# Altium PCB Copy of PCB1.PcbDoc (part 1 of 2) (continued)
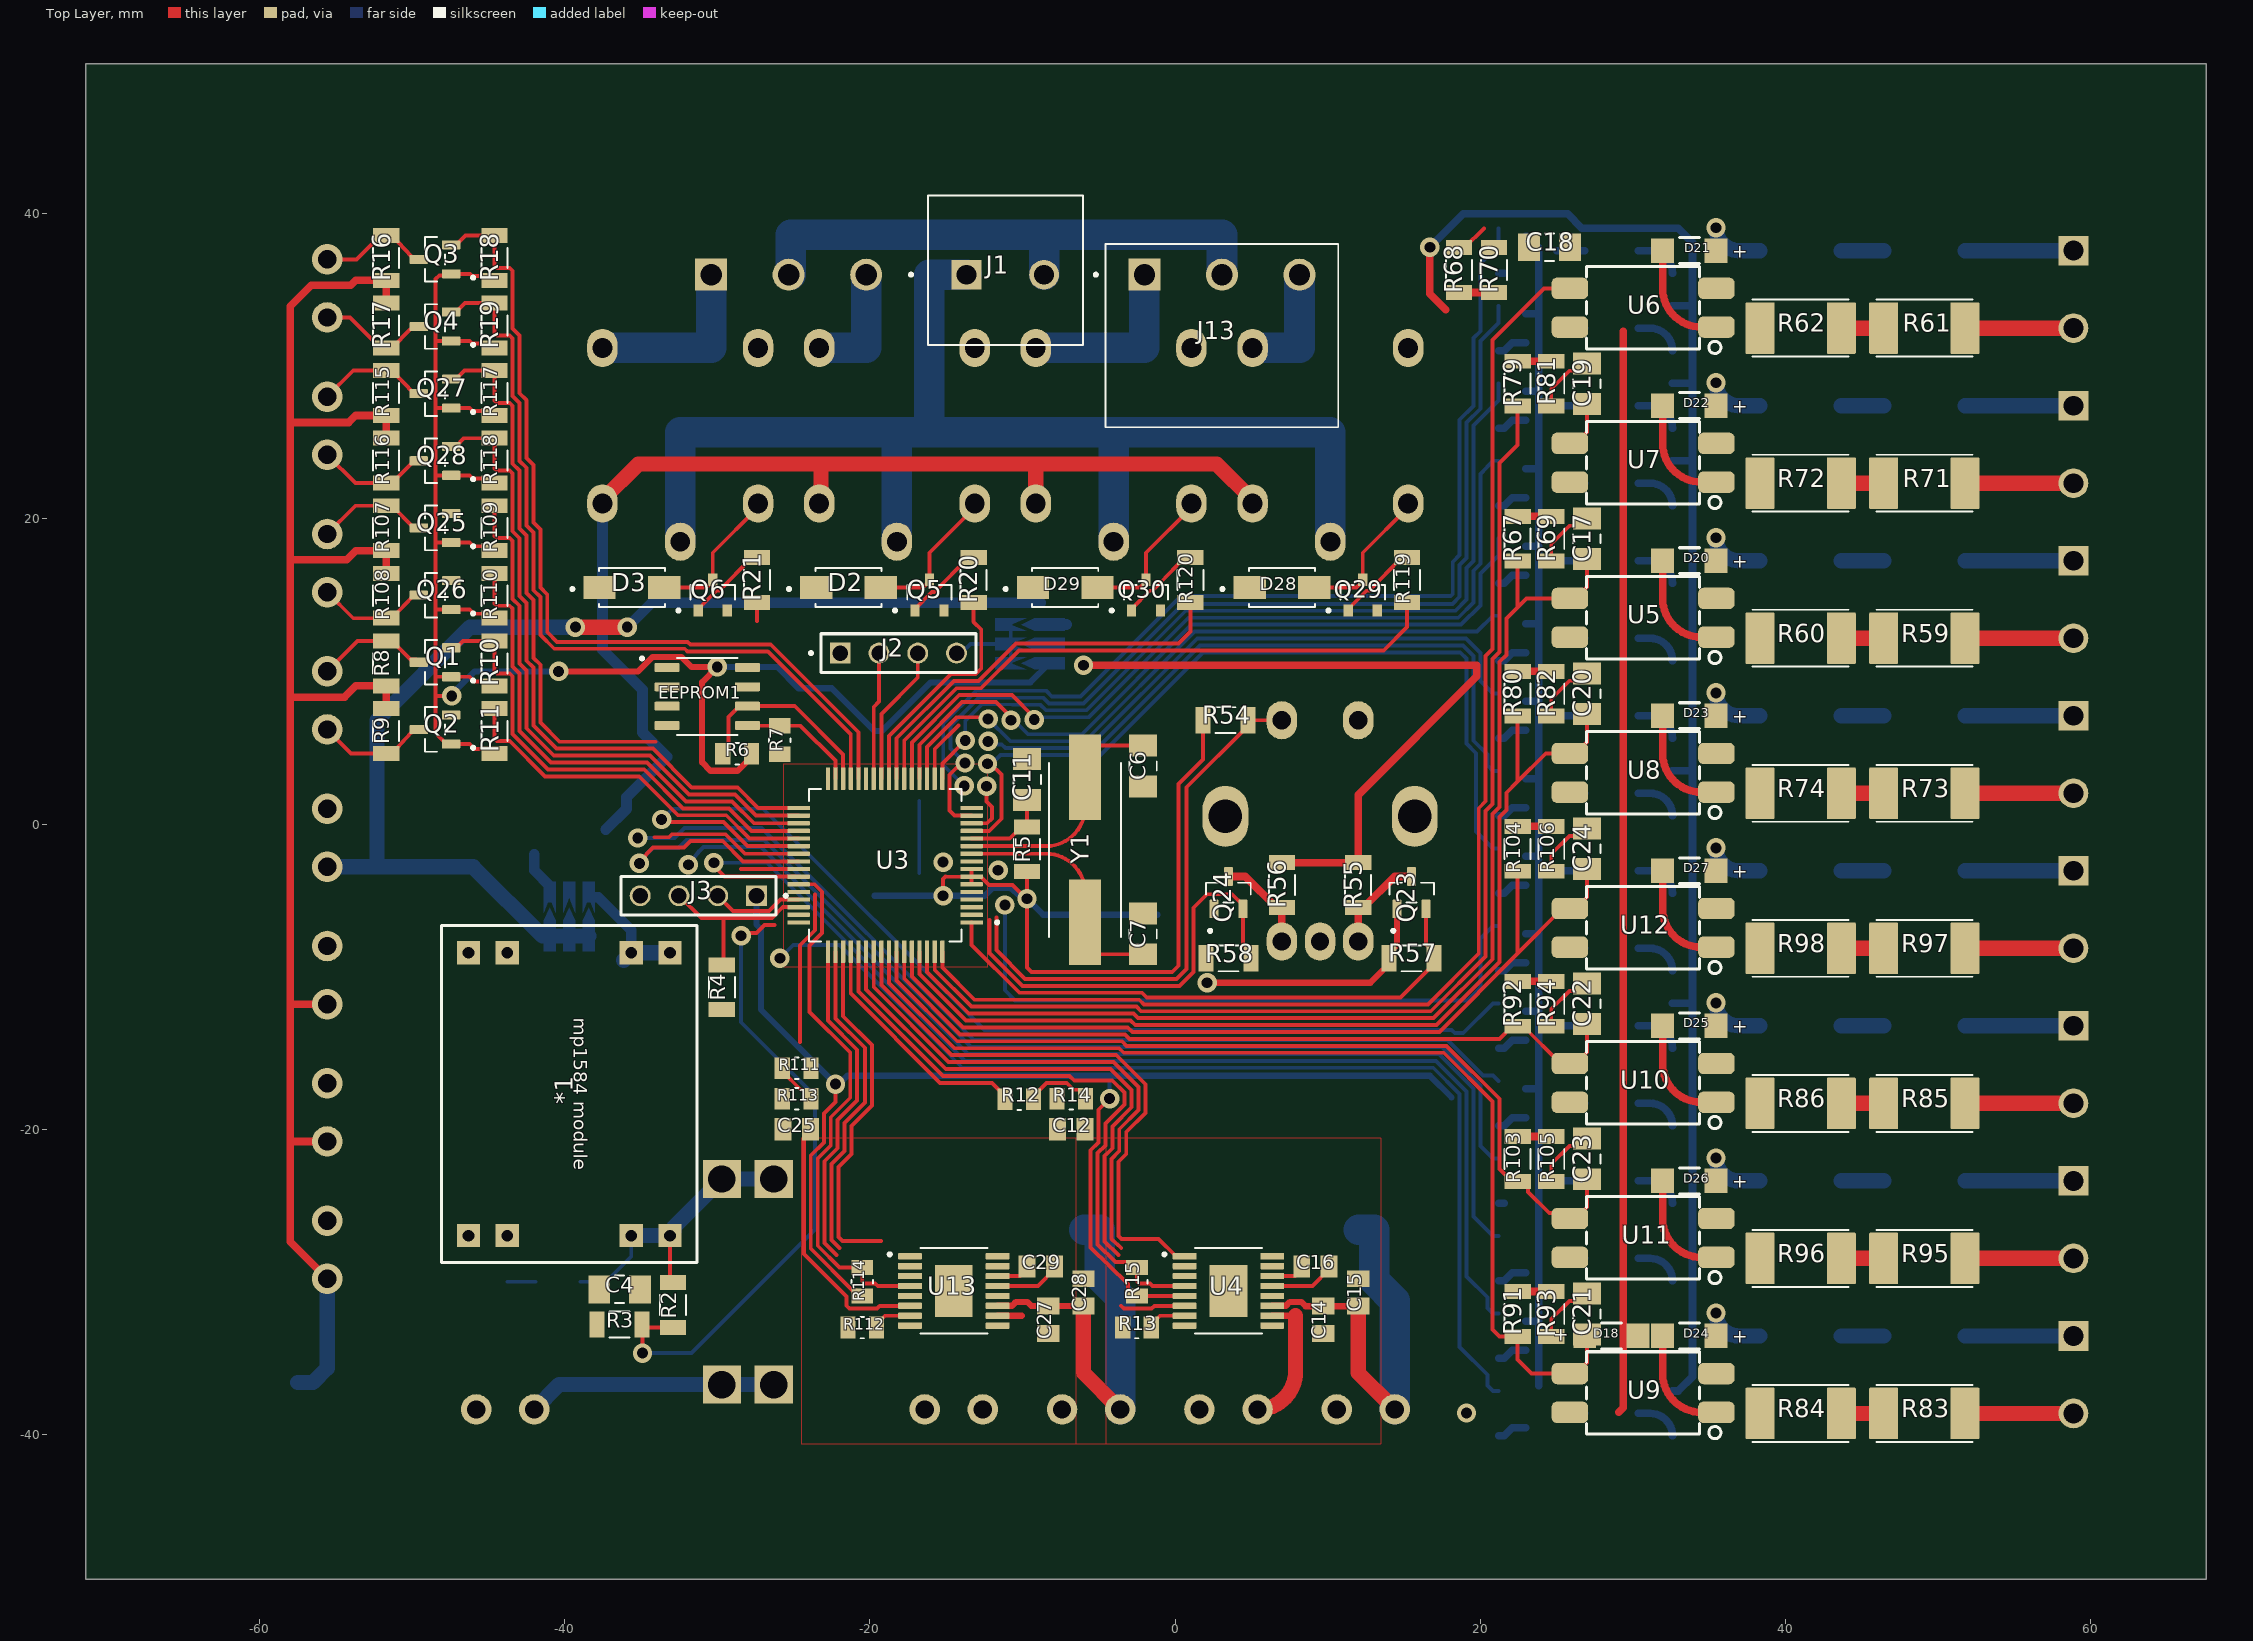
[diagram p0: Top Layer view]
## Components (designator, comment, footprint, x,y, rotation, side; value= is the part's Value field where it differs from the comment) (continued)
Q21 "SS8050" TRANS_SS8050-G 24,-33.545 r0 bottom locked
Q22 "SS8050" TRANS_SS8050-G 24,-38.625 r0 bottom locked
Q23 "2N7002" SOT95P240X111-3N 15.5,-4.5 r90 top
Q24 "2N7002" SOT95P240X111-3N 3.5,-4.5 r90 top
Q25 "2N7002" SOT95P240X111-3N -48.5,19.399 r180 top
Q26 "2N7002" SOT95P240X111-3N -48.5,14.998 r180 top
Q27 "2N7002" SOT95P240X111-3N -48.5,28.202 r180 top
Q28 "2N7002" SOT95P240X111-3N -48.5,23.801 r180 top
Q29 "SS8050" TRANS_SS8050-G 12.3,15 r90 top locked
Q30 "SS8050" TRANS_SS8050-G -1.9,15 r90 top locked
R1 "4.7k-1206" RESC3015X65N -40.43,-30 r0 bottom
R2 "220k-1206" RESC3015X65N -32.9,-31.53 r90 top
R3 "22k-1206" RESC3015X65N -36.4,-32.8 r0 top
R4 "4.7k-1206" RESC3015X65N -29.7,-10.7 r270 top
R5 "4.7k-1206" RESC3015X65N -9.7,-1.652 r270 top
R6 "4.7k -0805" RESC2012X65N -28.7,4.6 r0 top
R7 "4.7k -0805" RESC2012X65N -25.9,5.5 r270 top
R8 "4.7k-1206" RESC3015X65N -51.7,10.529 r270 top
R9 "4.7k-1206" RESC3015X65N -51.7,6.1 r90 top
R10 "4.7k-1206" RESC3015X65N -44.6,10.529 r270 top
R11 "4.7k-1206" RESC3015X65N -44.6,6.1 r270 top
R12 "0 ohm-0805" RESC2012X65N -10.211,-18.034 r180 top
R13 "0 ohm-0805" RESC2012X65N -2.5,-33 r180 top locked
R14 "IPROPI1" RESC2012X65N -6.8,-18 r0 top locked
R15 "4.7k -0805" RESC2012X65N -2.5,-30 r270 top locked
R16 "4.7k-1206" RESC3015X65N -51.7,37.1 r270 top
R17 "4.7k-1206" RESC3015X65N -51.7,32.671 r90 top
R18 "4.7k-1206" RESC3015X65N -44.6,37.1 r270 top
R19 "4.7k-1206" RESC3015X65N -44.6,32.671 r270 top
R20 "4.7k-1206" RESC3015X65N -13.2,16 r270 top locked
R21 "4.7k-1206" RESC3015X65N -27.4,16 r270 top locked
R22 "300 ohm-1206" RESC3015X65N 32.6,37.575 r90 bottom locked
R23 "300 ohm-1206" RESC3015X65N 32.6,32.495 r90 bottom locked
R24 "300 ohm-1206" RESC3015X65N 32.6,27.415 r90 bottom locked
R25 "300 ohm-1206" RESC3015X65N 32.6,22.335 r90 bottom locked
R26 "300 ohm-1206" RESC3015X65N 32.6,17.255 r90 bottom locked
R27 "300 ohm-1206" RESC3015X65N 32.6,12.175 r90 bottom locked
R28 "300 ohm-1206" RESC3015X65N 32.6,7.095 r90 bottom locked
R29 "300 ohm-1206" RESC3015X65N 32.6,2.015 r90 bottom locked
R30 "4.7k-1206" RESC3015X65N 21.2,37.575 r90 bottom locked
R31 "4.7k-1206" RESC3015X65N 21.2,32.495 r90 bottom locked
R32 "4.7k-1206" RESC3015X65N 21.2,27.415 r90 bottom locked
R33 "4.7k-1206" RESC3015X65N 21.2,22.335 r90 bottom locked
R34 "4.7k-1206" RESC3015X65N 21.2,17.255 r90 bottom locked
R35 "4.7k-1206" RESC3015X65N 21.2,12.175 r90 bottom locked
R36 "4.7k-1206" RESC3015X65N 21.2,7.095 r90 bottom locked
R37 "4.7k-1206" RESC3015X65N 21.2,2.015 r90 bottom locked
R38 "300 ohm-1206" RESC3015X65N 32.6,-3.065 r90 bottom locked
R39 "300 ohm-1206" RESC3015X65N 32.6,-8.145 r90 bottom locked
R40 "300 ohm-1206" RESC3015X65N 32.6,-13.225 r90 bottom locked
R41 "300 ohm-1206" RESC3015X65N 32.6,-18.305 r90 bottom locked
R42 "300 ohm-1206" RESC3015X65N 32.6,-23.385 r90 bottom locked
R43 "300 ohm-1206" RESC3015X65N 32.6,-28.465 r90 bottom locked
R44 "300 ohm-1206" RESC3015X65N 32.6,-33.545 r90 bottom locked
R45 "300 ohm-1206" RESC3015X65N 32.6,-38.625 r90 bottom locked
R46 "4.7k-1206" RESC3015X65N 21.2,-3.065 r90 bottom locked
R47 "4.7k-1206" RESC3015X65N 21.2,-8.145 r90 bottom locked
R48 "4.7k-1206" RESC3015X65N 21.2,-13.225 r90 bottom locked
R49 "4.7k-1206" RESC3015X65N 21.2,-18.305 r90 bottom locked
R50 "4.7k-1206" RESC3015X65N 21.2,-23.385 r90 bottom locked
R51 "4.7k-1206" RESC3015X65N 21.2,-28.465 r90 bottom locked
R52 "4.7k-1206" RESC3015X65N 21.2,-33.545 r90 bottom locked
R53 "4.7k-1206" RESC3015X65N 21.2,-38.625 r90 bottom locked
R54 "4.7k-1206" RESC3015X65N 3.3,6.8 r180 top locked
R55 "4.7k-1206" RESC3015X65N 12,-4 r90 top locked
R56 "4.7k-1206" RESC3015X65N 7,-4 r90 top locked
R57 "4.7k-1206" RESC3015X65N 15.5,-8.8 r0 top
R58 "4.7k-1206" RESC3015X65N 3.5,-8.8 r180 top
R59 "10k-2512" RESC6331X70N 49.1,12.175 r180 top locked
R60 "10k-2512" RESC6331X70N 41,12.175 r180 top locked
R61 "10k-2512" RESC6331X70N 49.1,32.495 r180 top locked
R62 "10k-2512" RESC6331X70N 41,32.495 r180 top locked
R63 "10k-2512" RESC6331X70N 49.1,17.255 r180 bottom locked
R64 "10k-2512" RESC6331X70N 41,17.255 r180 bottom locked
R65 "10k-2512" RESC6331X70N 49.1,37.575 r180 bottom locked
R66 "10k-2512" RESC6331X70N 41,37.575 r180 bottom locked
R67 "300 ohm-1206" RESC3015X65N 22.45,18.695 r270 top locked
R68 "300 ohm-1206" RESC3015X65N 18.6,36.3 r90 top locked
R69 "4.7k-1206" RESC3015X65N 24.656,18.695 r270 top locked
R70 "4.7k-1206" RESC3015X65N 20.9,36.3 r90 top locked
R71 "10k-2512" RESC6331X70N 49.1,22.335 r180 top locked
R72 "10k-2512" RESC6331X70N 41,22.335 r180 top locked
R73 "10k-2512" RESC6331X70N 49.1,2.015 r180 top locked
R74 "10k-2512" RESC6331X70N 41,2.015 r180 top locked
R75 "10k-2512" RESC6331X70N 49.1,27.415 r180 bottom locked
R76 "10k-2512" RESC6331X70N 41,27.415 r180 bottom locked
R77 "10k-2512" RESC6331X70N 49.1,7.095 r180 bottom locked
R78 "10k-2512" RESC6331X70N 41,7.095 r180 bottom locked
R79 "300 ohm-1206" RESC3015X65N 22.45,28.855 r270 top locked
R80 "300 ohm-1206" RESC3015X65N 22.45,8.535 r270 top locked
R81 "4.7k-1206" RESC3015X65N 24.656,28.855 r270 top locked
R82 "4.7k-1206" RESC3015X65N 24.656,8.535 r270 top locked
R83 "10k-2512" RESC6331X70N 49.1,-38.625 r180 top locked
R84 "10k-2512" RESC6331X70N 41,-38.625 r180 top locked
R85 "10k-2512" RESC6331X70N 49.1,-18.305 r180 top locked
R86 "10k-2512" RESC6331X70N 41,-18.305 r180 top locked
R87 "10k-2512" RESC6331X70N 49.1,-33.545 r180 bottom locked
R88 "10k-2512" RESC6331X70N 41,-33.545 r180 bottom locked
R89 "10k-2512" RESC6331X70N 49.1,-13.225 r180 bottom locked
R90 "10k-2512" RESC6331X70N 41,-13.225 r180 bottom locked
R91 "300 ohm-1206" RESC3015X65N 22.45,-32.105 r270 top locked
R92 "300 ohm-1206" RESC3015X65N 22.45,-11.785 r270 top locked
R93 "4.7k-1206" RESC3015X65N 24.656,-32.105 r270 top locked
R94 "4.7k-1206" RESC3015X65N 24.656,-11.785 r270 top locked
R95 "10k-2512" RESC6331X70N 49.1,-28.465 r180 top locked
R96 "10k-2512" RESC6331X70N 41,-28.465 r180 top locked
R97 "10k-2512" RESC6331X70N 49.1,-8.145 r180 top locked
R98 "10k-2512" RESC6331X70N 41,-8.145 r180 top locked
R99 "10k-2512" RESC6331X70N 49.1,-23.385 r180 bottom locked
R100 "10k-2512" RESC6331X70N 41,-23.385 r180 bottom locked
R101 "10k-2512" RESC6331X70N 49.1,-3.065 r180 bottom locked
R102 "10k-2512" RESC6331X70N 41,-3.065 r180 bottom locked
R103 "300 ohm-1206" RESC3015X65N 22.45,-21.945 r270 top locked
R104 "300 ohm-1206" RESC3015X65N 22.45,-1.625 r270 top locked
R105 "4.7k-1206" RESC3015X65N 24.656,-21.945 r270 top locked
R106 "4.7k-1206" RESC3015X65N 24.656,-1.625 r270 top locked
R107 "4.7k-1206" RESC3015X65N -51.7,19.386 r270 top
R108 "4.7k-1206" RESC3015X65N -51.7,14.957 r90 top
R109 "4.7k-1206" RESC3015X65N -44.6,19.386 r270 top
R110 "4.7k-1206" RESC3015X65N -44.6,14.957 r270 top
R111 "0 ohm-0805" RESC2012X65N -24.8,-16 r0 top
R112 "0 ohm-0805" RESC2012X65N -20.5,-33 r180 top locked
R113 "IPROPI1" RESC2012X65N -24.8,-18 r0 top locked
R114 "4.7k -0805" RESC2012X65N -20.5,-30 r270 top locked
R115 "4.7k-1206" RESC3015X65N -51.7,28.243 r270 top
R116 "4.7k-1206" RESC3015X65N -51.7,23.814 r90 top
R117 "4.7k-1206" RESC3015X65N -44.6,28.243 r270 top
R118 "4.7k-1206" RESC3015X65N -44.6,23.814 r270 top
R119 "4.7k-1206" RESC3015X65N 15.2,16 r270 top locked
R120 "4.7k-1206" RESC3015X65N 1,16 r270 top locked
SW1 "RotaryEncoderSwitch" SWROT_11MM 9.5,0 r180 bottom
U1 "LF50" DPAK_3 -39.7,-2 r180 bottom
U2 "AMS1117" DPAK_3 -26.5,6.1 r90 bottom
U3 "STM32G070RBT6" QFP50P1200X1200X160-64N -19,-2.7 r180 top
U4 "DRV8874PWPR" SOP65P640X120-17N 3.5,-30.6 r0 top locked
U5 "EL817" DIP_4SMD 30.675,13.515 r180 top locked
U6 "EL817" DIP_4SMD 30.675,33.835 r180 top locked
U7 "EL817" DIP_4SMD 30.675,23.675 r180 top locked
U8 "EL817" DIP_4SMD 30.675,3.355 r180 top locked
U9 "EL817" DIP_4SMD 30.675,-37.285 r180 top locked
U10 "EL817" DIP_4SMD 30.675,-16.965 r180 top locked
U11 "EL817" DIP_4SMD 30.675,-27.125 r180 top locked
U12 "EL817" DIP_4SMD 30.675,-6.805 r180 top locked
U13 "DRV8874PWPR" SOP65P640X120-17N -14.5,-30.6 r0 top locked
Y1 "8MHZ" XTAL_ABLS2-12.000MHZ-D4Y-T -5.9,-1.7 r90 top locked

## Footprints (in the part's own frame and the unit in brackets; to place one, negate y for a bottom-side part, rotate by r counter-clockwise, add the part's x,y. Pads: shape width x height; smd on the part's side, far side on the other; paste and mask are expansions set on the pad)
CAP_EEEFN1H101L [mm]
  rect 4x2 smd: 1(-3.55,0) 2(3.55,0)
  silkscreen extent -4.9,-4.15 4.15,4.15, body extent -4.85,-4.15 4.85,4.15, height 10.2
CAPC2012X145N [mm]
  rect 1.11x1.47 smd: 1(-0.9,0) 2(0.9,0)
  body extent -1,-0.63 1,0.63, height 1.45
CAPC3216X180N [mm]
  rect 1.44x1.82 smd: 1(-1.336,0) 2(1.336,0)
  silkscreen extent -0.29,-0.9 0.29,0.9, body extent -1.6,-0.8 1.6,0.8, height 1.8
DIOM4325X250N [mm]
  rect 2.12x1.5 smd: A(2.115,0) C(-2.115,0)
  silkscreen extent -4,-1.28 2.16,1.28, body extent -2.57,-1.28 2.57,1.28, height 2.5
DIP_4SMD [mm] "DIP4, pitch 2.54mm, 300mil Width SMD"
  rrect50% 2.4x1.4 smd: 1(-4.8,1.27) 2(-4.8,-1.27) 3(4.8,-1.27) 4(4.8,1.27)
  silkscreen extent -5.1,-2.7 3.7,3, body extent -5.23,-2.55 5.23,2.55, height 4.6
DPAK_3 [mm] "D-PAK (TO-252), 3-Pads, Body 6.2x6.7mm"
  oval 1.2x3 smd: 1(-2.3,0) 3(2.3,0)
  rect 6x7 smd paste-5: 4(0,6.8)
  silkscreen extent -3.4,1.63 3.4,8.6, body extent -3.37,-0.5 3.37,9.6, height 2.37
PCBComponent_1#1 [mil]
  round 1 smd: 1(-50,50) 2(-50,0) 3(-50,-50) 4(50,-50) 5(50,0) 6(50,50)
  Top Layer region: 10.63,-34.25 -23,-50 10.63,-65.75 89.37,-65.75 89.37,-34.25
  Top Layer region: 10.63,15.75 -23,0 10.63,-15.75 89.37,-15.75 89.37,15.75
  Top Layer region: -89.37,-34.25 -89.37,-65.75 -10,-65.75 -50,-50 -10,-34.25
  Top Layer region: -89.37,15.75 -89.37,-15.75 -10,-15.75 -50,0 -10,15.75
  Top Layer region: -89.37,65.75 -89.37,34.25 -10,34.25 -50,50 -10,65.75
  Top Layer region: 10.63,65.75 -23,50 10.63,34.25 89.37,34.25 89.37,65.75
PCBComponent_1#2 [mil]
  rect 60x60 hole 30: 1(365,160) 1(365,260) 2(365,-260) 2(365,-160) 3(-365,-260) 3(-365,-160) 4(-365,160) 4(-365,260)
  silkscreen extent -435,-330 435,330
PCBComponent_1#3 [mil]
  rect 98.43x98.43 hole 70.87: 1(-265.16,-66.93) 1(-265.16,66.93) 2(265.16,-66.93) 2(265.16,66.93)
  silkscreen extent -390,-132 390,132
PHOENIX_1715721 [mm]
  rect 1.95x1.95 / inner round 1.95 / far side rect 1.95x1.95 hole 1.3: 1(2.54,4.6)
  round 1.95 hole 1.3: 2(7.62,4.6)
  silkscreen extent -1.2,0 10.16,9.8
PHOENIX_1759020 [mm]
  rect 2.1x2.1 / inner round 2.1 / far side rect 2.1x2.1 hole 1.4: 01(2.54,10)
  round 2.1 hole 1.4: 02(7.62,10) 03(12.7,10)
  silkscreen extent -0.75,0 15.24,12
PHOENIX_1803578 [mm]
  round 2 hole 1.2: 1(-1.905,-0.635) 2(1.905,-0.635)
  silkscreen extent -4.21,-4 4.21,1.66, body extent -4.21,-8.05 4.21,8.05, height 11.1
QFP50P1200X1200X160-64N [mm]
  rrect25% 1.47x0.28 smd: 1(-5.67,3.75) 2(-5.67,3.25) 3(-5.67,2.75) 4(-5.67,2.25) 5(-5.67,1.75) 6(-5.67,1.25) 7(-5.67,0.75) 8(-5.67,0.25) 9(-5.67,-0.25) 10(-5.67,-0.75) 11(-5.67,-1.25) 12(-5.67,-1.75) 13(-5.67,-2.25) 14(-5.67,-2.75) 15(-5.67,-3.25) 16(-5.67,-3.75) 33(5.67,-3.75) 34(5.67,-3.25) 35(5.67,-2.75) 36(5.67,-2.25) 37(5.67,-1.75) 38(5.67,-1.25) 39(5.67,-0.75) 40(5.67,-0.25) 41(5.67,0.25) 42(5.67,0.75) 43(5.67,1.25) 44(5.67,1.75) 45(5.67,2.25) 46(5.67,2.75) 47(5.67,3.25) 48(5.67,3.75)
  rrect25% 0.28x1.47 smd: 17(-3.75,-5.67) 18(-3.25,-5.67) 19(-2.75,-5.67) 20(-2.25,-5.67) 21(-1.75,-5.67) 22(-1.25,-5.67) 23(-0.75,-5.67) 24(-0.25,-5.67) 25(0.25,-5.67) 26(0.75,-5.67) 27(1.25,-5.67) 28(1.75,-5.67) 29(2.25,-5.67) 30(2.75,-5.67) 31(3.25,-5.67) 32(3.75,-5.67) 49(3.75,5.67) 50(3.25,5.67) 51(2.75,5.67) 52(2.25,5.67) 53(1.75,5.67) 54(1.25,5.67) 55(0.75,5.67) 56(0.25,5.67) 57(-0.25,5.67) 58(-0.75,5.67) 59(-1.25,5.67) 60(-1.75,5.67) 61(-2.25,5.67) 62(-2.75,5.67) 63(-3.25,5.67) 64(-3.75,5.67)
  silkscreen extent -7.44,-5 5,5, body extent -6,-6 6,6, height 1.6
REL_SPDT_5_1512 [mm] "RELAY, SPDT, 15.40x12.10x14.0mm, G8QN, SUN HOLD RAM"
  oval 2x2.5 hole 1.3: 1(0,2.5) 2(5.1,-10.2) 3(-5.1,-10.2) 4(-5.1,0) 5(5.1,0)
  silkscreen extent -6.1,-11.9 6.1,3.8, body extent -6,-11.8 6,3.7, height 14
RESC2012X65N [mm]
  rect 1x1.42 smd: 1(-0.935,0) 2(0.935,0)
  silkscreen extent -0.12,-0.7 0.12,0.7, body extent -1,-0.63 1,0.63, height 0.65
RESC3015X65N [mm]
  rect 0.98x1.72 smd: 1(-1.47,0) 2(1.47,0)
  silkscreen extent -0.66,-0.85 0.66,0.85, body extent -1.53,-0.77 1.53,0.77, height 0.65
RESC6331X70N [mm]
  rrect7% 1.9x3.37 smd: 1(-2.66,0) 2(2.66,0)
  silkscreen extent -3.15,-1.87 3.15,1.87
SAMTEC_MTSW-104-24-G-S-230 [mm]
  rect 1.37x1.37 hole 1.02: 01(3.81,0)
  round 1.37 hole 1.02: 02(1.27,0) 03(-1.27,0) 04(-3.81,0)
  silkscreen extent -5.08,-1.27 5.83,1.27
SOIC127P602X172-8N [mm]
  rrect25% 1.64x0.59 smd: 0(-2.635,1.905) 1(-2.635,0.635) 2(-2.635,-0.635) 3(-2.635,-1.905) 4(2.635,-1.905) 5(2.635,-0.635) 6(2.635,0.635) 7(2.635,1.905)
  silkscreen extent -4.37,-2.52 1.99,2.59, body extent -3.01,-2.44 3.01,2.44, height 1.73
SOP65P640X120-17N [mm]
  rrect25% 1.57x0.41 smd: 1(-2.87,2.275) 2(-2.87,1.625) 3(-2.87,0.975) 4(-2.87,0.325) 5(-2.87,-0.325) 6(-2.87,-0.975) 7(-2.87,-1.625) 8(-2.87,-2.275) 9(2.87,-2.275) 10(2.87,-1.625) 11(2.87,-0.975) 12(2.87,-0.325) 13(2.87,0.325) 14(2.87,0.975) 15(2.87,1.625) 16(2.87,2.275)
  rect 2.48x3.4 smd paste-3: 17(0,0)
  silkscreen extent -4.3,-2.8 2.2,2.8, body extent -3.2,-2.5 3.2,2.5, height 1.2
SOT95P240X111-3N [mm]
  rrect25% 1.23x0.6 smd: 1(-1.06,0.95) 2(-1.06,-0.95) 3(1.06,0)
  silkscreen extent -2.6,-1.46 0.65,1.46
SWROT_11MM [mm] "Alps Encoder+ sw"
  oval 2x2.5 hole 1.2 unplated: 1(-2.5,-7.7) 2(0,-7.7) 3(2.5,-7.7) 4(2.5,6.8) 5(-2.5,6.8)
  oval 3x4 hole 2.2 unplated: SH1(-6.2,0.5) SH2(6.2,0.5)
  silkscreen extent -6,-6.1 6,7, body extent -6.85,-7.83 6.81,7, height 21.2
TRANS_SS8050-G [mm]
  rect 0.8x0.6 smd: 1(-1.01,0.95) 2(-1.01,-0.95) 3(1.01,0)
  silkscreen extent -1.11,-1.45 0.65,2.35
"WL-SMRW_1206 dome_normal use" [mm] "SMD Mono-color Reverse mount LED, body 3.2x1.2mm"
  rect 1.5x1.6 smd: 1(-1.75,0) 2(1.75,0)
  silkscreen extent -0.65,-0.85 0.65,0.85, body extent -1.6,-0.8 1.6,0.8, height 1.85
XTAL_ABLS2-12.000MHZ-D4Y-T [mm]
  rect 5.6x2.1 smd: 1(-4.75,0) 2(4.75,0)
  silkscreen extent -5.7,-2.35 5.7,2.35, body extent -6.35,-2.35 6.35,2.35, height 3.16

## Part data
*1 "fuse 1": library part Component_1
C1 C2 C3 C5 C13 C26: library part EEEFN1H101L, "CAP ALUM 100UF 20% 50V SMD", Package="RADIAL-2 Panasonic", Check_prices=https://www.snapeda.com/parts/EEEFN1H101L/Panasonic/view-part/?ref=eda, MF=Panasonic, MP=EEEFN1H101L, SnapEDA_Link=https://www.snapeda.com/parts/EEEFN1H101L/Panasonic/view-part/?ref=snap
C4 C6 C7 C8 C9 C10 C11 C17 C18 C19 C20 C21 C22 C23 C24: library part CGA5L3X8R1H105M160AB, "1ÂµF Â±20% 50V Ceramic Capacitor X8R 1206 (3216 Metric)", Package="3216 TDK", Availability="In Stock", Check_prices=https://www.snapeda.com/parts/CGA5L3X8R1H105M160AB/TDK/view-part/?ref=eda, MF=TDK, MP=CGA5L3X8R1H105M160AB, Price=None, Purchase-URL=https://pricing.snapeda.com/search/part/CGA5L3X8R1H105M160AB/?ref=eda, SnapEDA_Link=https://www.snapeda.com/parts/CGA5L3X8R1H105M160AB/TDK/view-part/?ref=snap
C12 C14 C15 C16 C25 C27 C28 C29: library part GRM21BC81C226ME44L, "SMD Capacitor X6S(EIA) with Capacitance: 22uF Tol. 20%. Rated Voltage: 16Vdc", Package="2012 Murata", Check_prices=https://www.snapeda.com/parts/GRM21BC81C226ME44L/Murata/view-part/?ref=eda, MF=Murata, MP=GRM21BC81C226ME44L, SnapEDA_Link=https://www.snapeda.com/parts/GRM21BC81C226ME44L/Murata/view-part/?ref=snap
D1 D4 D5 D6 D7 D8 D9 D10 D11 D12 D13 D14 D15 D16 D17 D18 D19 D20 D21 D22 D23 D24 D25 D26 D27: library part 156120RS82500, "WL-SMRW Mono-color Reverse mount Waterclear, SMT, size 1206 dome, Red, 2V, 20°", Case/Size Code="1206 dome", Emitting Color=Red, Forward Voltage=2V, Manufacturer="Wurth Elektronik", Operating Temperature Max=85°C, Operating Temperature Min=-40°C, Category="Signal LEDs", Chip Technology=AlInGaP, ComponentLink1Description="Website Link", ComponentLink1URL=https://www.we-online.com/redexpert/article/156120RS82500?ad, ComponentLink2Description="Datasheet Link", ComponentLink2URL=https://www.we-online.com/redexpert/spec/156120RS82500?ad, Dominant Wavelength=624nm, Height=1.85mm, Length=3.2mm, Luminous Intensity=1100mcd, Manufacturer Part Number=156120RS82500, Match Code=WL-SMRW, Mount="Surface Mount", Packaging="Tape and Reel", Peak Wavelength=632nm, Viewing Angle=20°, Width=1.6mm
D2 D3 D28 D29: library part SMAJ26A, "400W, 30.4V, 5%, Unidirectional, TVS", Package="SMA-2 Taiwan Semiconductor", Check_prices=https://www.snapeda.com/parts/SMAJ26A/taiwan/view-part/?ref=eda, MF="Taiwan Semiconductor", MP=SMAJ26A, SnapEDA_Link=https://www.snapeda.com/parts/SMAJ26A/taiwan/view-part/?ref=snap
J1 J5 J6 J7 J8 J9 J10 J11 J12: library part 1715721, Package=None, Availability=Unavailable, MP=1715721, Price=None
J2 J3: Package=None, Availability=Unavailable, MP=MTSW-104-24-G-S-230, Price=None
J4 J13: library part 1759020, "Pluggable Header 5.08mm 12AWG 320V 12A 3 Position COMBICON MSTB Series", Package=None, Check_prices=https://www.snapeda.com/parts/1759020/Phoenix+Contact/view-part/?ref=eda, MF="Phoenix Contact", MP=1759020, SnapEDA_Link=https://www.snapeda.com/parts/1759020/Phoenix+Contact/view-part/?ref=snap
K1 K2 K3 K4: library part RELAY_SPDT_5_1512_G8QN, "Relay, SPDT, 5P, 15.4X12.1mm, 16V/30A", MANF=OMRON, MANF_P#="G8QN-1C4 DC12", PARAM="12V, 50mA", PARAM2="16VDC, 30A", Price=PRICE
P1 P2 P3 P4 P5 P6 P7 P8 P9 P10 P11 P12 P13: library part 1803578, "2 Position Terminal Block Plug, Female Sockets 0.150 (3.81mm) 180Â° Free Hanging (In-Line)", Package="Custom Package Phoenix Contact", Availability=Good, Check_prices=https://www.snapeda.com/parts/1803578/Phoenix%20Contact/view-part/46882/?ref=eda, MF="Phoenix Contact", MP=1803578, Price=None, Purchase-URL=https://pricing.snapeda.com/search/part/1803578/?ref=eda, SnapEDA_Link=https://www.snapeda.com/parts/1803578/Phoenix%20Contact/view-part/46882/?ref=snap
Q1 Q2 Q3 Q4 Q23 Q24 Q25 Q26 Q27 Q28: "N-Channel 60V 280mA (Ta) 350mW (Ta) Surface Mount SOT-23-3 (TO-236)", Package=None, Availability=Unavailable, MF="{'manufacturer': u'onsemi'}", MP=2N7002, Price=None
Q5 Q6 Q7 Q8 Q9 Q10 Q11 Q12 Q13 Q14 Q15 Q16 Q17 Q18 Q19 Q20 Q21 Q22 Q29 Q30: library part SS8050-G, "Bipolar (BJT) Transistor NPN 25 V 1.5 A 100MHz 300 mW Surface Mount SOT-23-3", Package=None, Check_prices=https://www.snapeda.com/parts/SS8050G/Comchip/view-part/?ref=eda, Digi-Key_Part_Number=641-1790-2-ND, MF=Comchip, MP=SS8050G, SnapEDA_Link=https://www.snapeda.com/parts/SS8050G/Comchip/view-part/?ref=snap
R1 R2 R3 R4 R5 R8 R9 R10 R11 R16 R17 R18 R19 R20 R21 R22 R23 R24 R25 R26 R27 R28 R29 R30 R31 R32 R33 R34 R35 R36 R37 R38 R39 R40 R41 R42 R43 R44 R45 R46 R47 R48 R49 R50 R51 R52 R53 R54 R55 R56 R57 R58 R67 R68 R69 R70 R79 R80 R81 R82 R91 R92 R93 R94 R103 R104 R105 R106 R107 R108 R109 R110 R115 R116 R117 R118 R119 R120: library part CPF1206B10KE1, "Res Thin Film 1206 10K Ohm 0.1% 1/8W Â±25ppm/Â°C Molded SMD SMD Paper T/R", Package=1206, Power_Rating=".125 W", Resistance=10K, Tolerance=.1%, Voltage_Rating="150 V", Check_prices=https://www.snapeda.com/parts/CPF1206B10KE1/TE+Connectivity/view-part/?ref=eda, EU_RoHS_Compliance=Compliant, MF="TE Connectivity", MP=CPF1206B10KE1, SnapEDA_Link=https://www.snapeda.com/parts/CPF1206B10KE1/TE+Connectivity/view-part/?ref=snap
R6 R7 R12 R13 R14 R15 R111 R112 R113 R114: library part CRGCQ0805J470R, "Fixed Resistor CRGCQ 0805 470R 5%", Package="2012 TE Connectivity", Check_prices=https://www.snapeda.com/parts/CRGCQ0805J470R/TE+Connectivity/view-part/?ref=eda, MF="TE Connectivity", MP=CRGCQ0805J470R, SnapEDA_Link=https://www.snapeda.com/parts/CRGCQ0805J470R/TE+Connectivity/view-part/?ref=snap
R59 R60 R61 R62 R63 R64 R65 R66 R71 R72 R73 R74 R75 R76 R77 R78 R83 R84 R85 R86 R87 R88 R89 R90 R95 R96 R97 R98 R99 R100 R101 R102: library part 5-2176246-2, "18 kOhms Â±5% 1.5W Chip Resistor 2512 (6432 Metric) Pulse Withstanding Thick Film", Package=None, Check_prices=https://www.snapeda.com/parts/5-2176246-2/TE+Connectivity+AMP+Connectors/view-part/?ref=eda, MF="TE Connectivity", MP=5-2176246-2, SnapEDA_Link=https://www.snapeda.com/parts/5-2176246-2/TE+Connectivity+AMP+Connectors/view-part/?ref=snap
SW1: library part SWROT_11MM, "SWITCH, ROTARY Encoder, 11mm Metal Shaft", ASSEMBLY=ASSEMBLY, DESC=DESCRIPTION, MANF=Alpha, MANF_PART#=RE111F-41B3N-15F-20P, PARAM=PARAM, Price=-
U1: library part VREG_LFXX_TO252, "REG, Linear, LDO0.45V, 0.5A, TO-252", MANF=ST, MANF_P#=LF33CDT, PARAM="LDO0.45V, 0.5A,  82dB@120Hz", PARAM2=1.5/1.8/2.5/3.3/5V, Price=1500t
U2: library part VREG_AMS1117_DPACK3
U3: "ARMÂ® CortexÂ®-M0+ STM32G0 Microcontroller IC 32-Bit Single-Core 64MHz 128KB (128K x 8) FLASH 64-LQFP (10x10)", Package="LQFP-64 STMicroelectronics", Check_prices=https://www.snapeda.com/parts/STM32G070RBT6/STMicroelectronics/view-part/?ref=eda, MF=STMicroelectronics, MP=STM32G070RBT6, SnapEDA_Link=https://www.snapeda.com/parts/STM32G070RBT6/STMicroelectronics/view-part/?ref=snap
U4 U13: "40-V, 6-A H-bridge motor driver with integrated current sensing feedback", Package="HTSSOP-16 Texas Instruments", Check_prices=https://www.snapeda.com/parts/DRV8874PWPR/Texas+Instruments/view-part/?ref=eda, MF="Texas Instruments", MP=DRV8874PWPR, SnapEDA_Link=https://www.snapeda.com/parts/DRV8874PWPR/Texas+Instruments/view-part/?ref=snap
U5 U6 U7 U8 U9 U10 U11 U12: library part OPTC_TR4P_EL817_SMD, "OPTOCOUPLER, TRANSISTOR, 4PIN", Package=DIP-4SMD, PARAM=IF=5mA, PARAM2="VCE = 5V", Price=300t@Paya
Y1: library part ABLS2-12.000MHZ-D4Y-T, "HC/49US (AT49) LOW PROFILE SURFACE MOUNT MICROPROCESSOR CRYSTAL", Package="HC49/US Abracon", Availability="In Stock", Check_prices=https://www.snapeda.com/parts/ABLS2-12.000MHZ-D4Y-T/Abracon+LLC/view-part/?ref=eda, MF=Abracon, MP=ABLS2-12.000MHZ-D4Y-T, Price=None, Purchase-URL=https://pricing.snapeda.com/search/part/ABLS2-12.000MHZ-D4Y-T/?ref=eda, SnapEDA_Link=https://www.snapeda.com/parts/ABLS2-12.000MHZ-D4Y-T/Abracon+LLC/view-part/?ref=snap

## Via types
v1: diameter 1.27, hole 0.711, Top Layer to Bottom Layer, 41 vias

## Nets (pads, with @x,y where several pads share a name; then routed paths per layer and width w, separated by ;. In a path a pad name is that pad's centre, name@x,y a point inside that pad or via, vN(x,y) a via of type N, cw(c..) or ccw(c..) an arc to the next point about the centre after c; other vN are vias at no path point)
3.3v: 2.6 C5.1 C8.2 C9.2 C10.2 EEPROM1.7 J3.01 Q1.1 Q2.1 Q3.1 Q4.1 Q23.1 Q24.1 Q25.1 Q26.1 Q27.1 Q28.1 R5.2 R6.2 R7.2 R10.2 R11.2 R15.2 R18.2 R19.2 R54.2 R57.1 R58.2 R109.2 R110.2 R114.2 R117.2 R118.2 U2.4 U3.6 U3.7 U3.8 U4.5 U5.4 U6.4 U7.4 U8.4 U9.4 U10.4 U11.4 U12.4 U13.5 | length 358.1
  Top Layer w0.254: v1(-47.4,8.4) -48.455,8.4 ; R11.2@-44.6,4.63 -44.89,4.92 -45.9,4.92 -46.225,5.245 Q2.1@-47.44,5.245 -47.755,5.245 -48.455,5.945 -48.455,8.4 ; R10.2@-44.6,9.059 -44.89,9.349 -45.927,9.349 -46.225,9.646 Q1.1@-47.44,9.646 -48.455,9.646 ; R110.2@-44.6,13.487 -44.89,13.777 -45.954,13.777 -46.225,14.048 Q26.1@-47.44,14.048 -48.455,14.048 ; R109.2@-44.6,17.916 -44.89,18.206 -45.981,18.206 -46.225,18.449 Q25.1@-47.44,18.449 -48.455,18.449 ; R118.2@-44.6,22.344 -44.89,22.634 -46.009,22.634 -46.225,22.851 Q28.1@-47.44,22.851 -48.455,22.851 ; R117.2@-44.6,26.773 -44.89,27.063 -46.036,27.063 -46.225,27.252 Q27.1@-47.44,27.252 -48.455,27.252 ; R19.2@-44.6,31.201 -44.889,31.49 -46.06,31.49 -46.224,31.654 Q4.1@-47.44,31.654 -48.455,31.654 ; R18.2@-44.6,35.63 -44.875,35.905 -46.06,35.905 -46.21,36.055 Q3.1@-47.44,36.055 -47.54,35.955 -48.221,35.955 -48.455,35.721 -48.455,31.654 ; v1(-22.25,-17.043) -22.25,-18.215 -23.018,-18.983 -23.018,-20.87 -23.874,-21.726 -23.874,-27.826 -21.138,-30.562 -20.873,-30.562 R114.2@-20.5,-30.935 ; v1(-15.2,-4.7) -15.2,-3.611 -15.039,-3.45 -13.33,-3.46 -12.722,-3.463 -12.194,-3.991 -10.644,-3.991 v1@-9.7,-4.935 ; U3.6@-13.33,-3.95 U3.7@-13.33,-3.45 U3.8@-13.33,-2.95 ; R5.2@-9.7,-3.122 v1@-9.7,-4.935 ; v1(-4.29,-17.996) -5.018,-18.724 -5.018,-20.87 -5.531,-21.383 -5.531,-27.746 -3.083,-30.154 -3.083,-30.562 -2.71,-30.935 R15.2@-2.5,-30.935 U4.5@0.63,-30.925 ; R54.2@1.83,6.8 1.83,4.235 0.223,2.628 0.223,-9.29 -0.186,-9.699 -9.401,-9.699 -9.7,-9.4 v1@-9.7,-4.935 ; -48.455,8.4 -48.455,9.646 ; -48.455,9.646 -48.455,14.048 ; -48.455,14.048 -48.455,18.449 ; -48.455,18.449 -48.455,22.851 ; -48.455,22.851 -48.455,27.252 ; -48.455,27.252 -48.455,31.654
  Top Layer w0.4: v1(-40.4,10) -35.192,10 -34.235,10.957 -32.35,10.957 -31.694,10.3 -30.009,10.291 -31,9.3 -31,4.034 -30.456,3.49 -28.665,3.49 -27.765,4.39 R6.2@-27.765,4.6 ; v1(2.1,-10.4) 12.8,-10.4 14.03,-9.17 R57.1@14.03,-8.8 14.03,-8.43 14.55,-7.91 Q23.1@14.55,-5.56
  Top Layer w0.5: 29.072,-38.55 29.365,-38.257 29.365,-28.473 29.365,-18.263 29.365,-8.128 29.365,2.057 29.365,12.217 29.365,22.383 29.365,32.275
  Bottom Layer w0.254: v1(-4.29,-17.996) -4.29,-16.5
  Bottom Layer w0.4: v1(-47.4,8.4) -47.4,8.5 -45.9,10 v1(-40.4,10) ; v1(-30,10.3) -26.086,10.3 -24.686,8.9 -22.5,8.9 U2.4@-19.7,6.1 -19.2,6.1 -16.019,9.281 -9.479,9.281 2.6@-8.23,10.53 ; J3.01@-27.432,-4.699 -27.432,-6.586 -27.135,-6.883 -27.135,-12.159 v1(-22.25,-17.043) -22.015,-17.043 -21.472,-16.5 -4.29,-16.5 16.7,-16.5 18.124,-17.924 ; -19.7,-4.7 v1(-15.2,-4.7) -12.487,-4.7 -11.987,-4.2 -10.772,-4.2 -9.975,-4.9 v1(-9.7,-4.9) -8.65,-5.95 C5.1@-5.1,-5.95 -1.148,-5.95
  other v1: 19.1,-38.6
5v: 1.4 1.5 1.6 2.4 C3.1 P5.2 P6.2 P11.2 P12.2 R8.2 R9.2 R16.2 R17.2 R22.2 R23.2 R24.2 R25.2 R26.2 R27.2 R28.2 R29.2 R38.2 R39.2 R40.2 R41.2 R42.2 R43.2 R44.2 R45.2 R55.2 R56.2 R107.2 R108.2 R115.2 R116.2 | length 339.8
  Top Layer w0.5: P5.2@-55.565,-29.805 -57.988,-27.382 -57.988,-20.805 ; P11.2@-55.565,-20.805 -57.988,-20.805 ; P12.2@-55.565,-11.805 -57.804,-11.805 -57.988,-11.989 ; R9.2@-51.7,7.57 R8.2@-51.7,9.059 -53.679,9.059 -54.432,8.306 -57.988,8.306 ; R108.2@-51.7,16.427 R107.2@-51.7,17.916 -53.687,17.916 -54.28,17.323 -57.988,17.323 ; R116.2@-51.7,25.284 R115.2@-51.7,26.773 -53.694,26.773 -54.153,26.314 -57.988,26.314 ; R17.2@-51.7,34.141 R16.2@-51.7,35.63 -53.702,35.63 -54.026,35.306 -56.617,35.306 -57.988,33.934 -57.988,26.314 ; v1(-6,10.4) 19.778,10.4 19.778,9.678 12,1.9 R55.2@12,-2.53 R56.2@7,-2.53 ; v1(16.7,37.8) 16.7,34.744 17.744,33.7 ; -57.988,-20.805 -57.988,-11.989 ; -57.988,-11.989 -57.988,-2.819 -57.988,8.306 ; -57.988,8.306 -57.988,17.323 ; -57.988,17.323 -57.988,26.314
  Top Layer w1: v1(-39.3,12.9) v1(-35.9,12.9)
  Bottom Layer w0.5: v1(16.7,37.8) 18.885,39.985 25.722,39.985 26.662,39.045 R22.2@32.6,39.045 32.97,39.045 33.91,38.105 33.91,33.965 ; R45.2@32.6,-37.155 32.97,-37.155 33.91,-36.215 33.91,-32.08 33.91,-27.051 33.91,-21.92 33.91,-16.838 33.91,-11.755 ; R40.2@32.6,-11.755 33.91,-11.755 ; R29.2@32.6,3.485 33.91,3.485 ; R25.2@32.6,23.805 33.91,23.805 ; R24.2@32.6,28.885 33.91,28.885 ; R23.2@32.6,33.965 33.91,33.965 ; 33.91,-11.755 33.91,-6.68 33.91,-1.549 33.91,3.485 ; 33.91,3.485 33.91,8.56 33.91,13.665 33.91,18.72 33.91,23.805 ; 33.91,23.805 33.91,28.885 ; 33.91,28.885 33.91,33.965
  Bottom Layer w0.7: v1(-35.9,12.9) -34.3,14.5 -8.8,14.5 ; 2.4@-8.23,13.07 -7.11,13.07
  Bottom Layer w1: C3.1@-57.5,-36.6 -56.5,-36.6 -55.565,-35.665 P5.2@-55.565,-29.805 ; P6.2@-55.565,-2.805 -52.3,-2.805 ; v1(-39.3,12.9) -46.2,12.9 -52.3,6.8 -52.3,-2.805 ; 1.4@-38.43,-7.34 1.5@-39.7,-7.34 1.6@-40.97,-7.34 -41.46,-7.34 -45.995,-2.805 -52.3,-2.805
12v: 1.3 *1.4 C1.1 C2.1 D2.C D3.C D28.C D29.C K1.4 K2.4 K3.4 K4.4 U1.1 U2.3 | length 83.5
  Top Layer w1: K2.4@-37.525,21 -37.525,21.25 -35.175,23.6 -23.2,23.6 ; K1.4@-23.325,21 -23.2,21.125 -23.2,23.6 ; K4.4@-9.125,21 -9.125,23.6 ; K3.4@5.075,21 5.075,21.25 2.725,23.6 -9.125,23.6 ; -23.2,23.6 -9.125,23.6
  Bottom Layer w0.7: 1.3@-38.43,-4.8 -37.8,-4.8 -35.636,-6.964 *1.4@-35.636,-8.429 ; K2.4@-37.525,21 -37.525,11.425 -34.9,8.8 -34.9,6 -33.3,4.4 -35.95,1.75 -35.95,0.989 -37.304,-0.365
  Bottom Layer w1: *1.4@-36.136,-8.929 *1.4@-35.636,-8.429 *1.4@-33.096,-8.429
24v: "fuse 1.2" *1.1 R1.2 R2.2 | length 19.7
  Top Layer w0.254: *1.1@-33.096,-26.971 -33.096,-30.06 R2.2@-32.9,-30.06
  Bottom Layer w0.254: R1.2@-38.96,-30 -37.29,-30 -35.636,-28.346 *1.1@-35.636,-26.971
  Bottom Layer w1: *1.1@-35.636,-26.971 *1.1@-33.096,-26.971 -32.834,-26.709 -32.834,-26.399 -29.7,-23.265 -26.3,-23.265
24v_jack1: C13.1 C14.2 C15.2 P2.2 U4.11 | length 26.9
  Top Layer w0.41: U4.11@6.37,-31.575 7.27,-31.575 7.525,-31.32 8.275,-31.32 8.555,-31.6 C14.2@9.7,-31.6 C15.2@12,-31.6
  Top Layer w1: C15.2@12,-31.6 12,-35.96 P2.2@14.405,-38.365
  Bottom Layer w2: C13.1@12.05,-26.6 13.05,-26.6 13.05,-29.897 14.405,-31.252 P2.2@14.405,-38.365
24v_jack2: C26.1 C27.2 C28.2 P8.2 U13.11 | length 26.9
  Top Layer w0.41: U13.11@-11.63,-31.575 -10.679,-31.575 -10.424,-31.32 -9.674,-31.32 -9.419,-31.575 -8.3,-31.583 C28.2@-6,-31.6
  Top Layer w1: C28.2@-6,-31.6 -6,-35.96 P8.2@-3.595,-38.365
  Bottom Layer w2: C26.1@-5.95,-26.6 -4.95,-26.6 -4.95,-29.645 -3.595,-31 P8.2@-3.595,-38.365
CPH1: C16.2 U4.13 | length 4.4
  Top Layer w0.254: U4.13@6.37,-30.275 9.016,-30.264 10.1,-29.18 C16.2@10.1,-29
CPH2: C29.2 U13.13 | length 4.4
  Top Layer w0.254: U13.13@-11.63,-30.275 -8.984,-30.264 -7.9,-29.18 C29.2@-7.9,-29
CPL1: C16.1 U4.14 | length 2.3
  Top Layer w0.254: U4.14@6.37,-29.625 7.855,-29.625 8.3,-29.18 C16.1@8.3,-29
CPL2: C29.1 U13.14 | length 2.3
  Top Layer w0.254: U13.14@-11.63,-29.625 -10.145,-29.625 -9.7,-29.18 C29.1@-9.7,-29
ENC-A: Q23.3 R55.1 SW1.1 | length 6.6
  Top Layer w0.5: SW1.1@12,-7.7 R55.1@12,-5.47 12.37,-5.47 14.4,-3.44 Q23.3@15.5,-3.44
ENC-B: Q24.3 R56.1 SW1.3 | length 6.6
  Top Layer w0.5: Q24.3@3.5,-3.44 4.6,-3.44 6.63,-5.47 R56.1@7,-5.47 SW1.3@7,-7.7